# KiCad board board1-switching.kicad_pcb (continued)
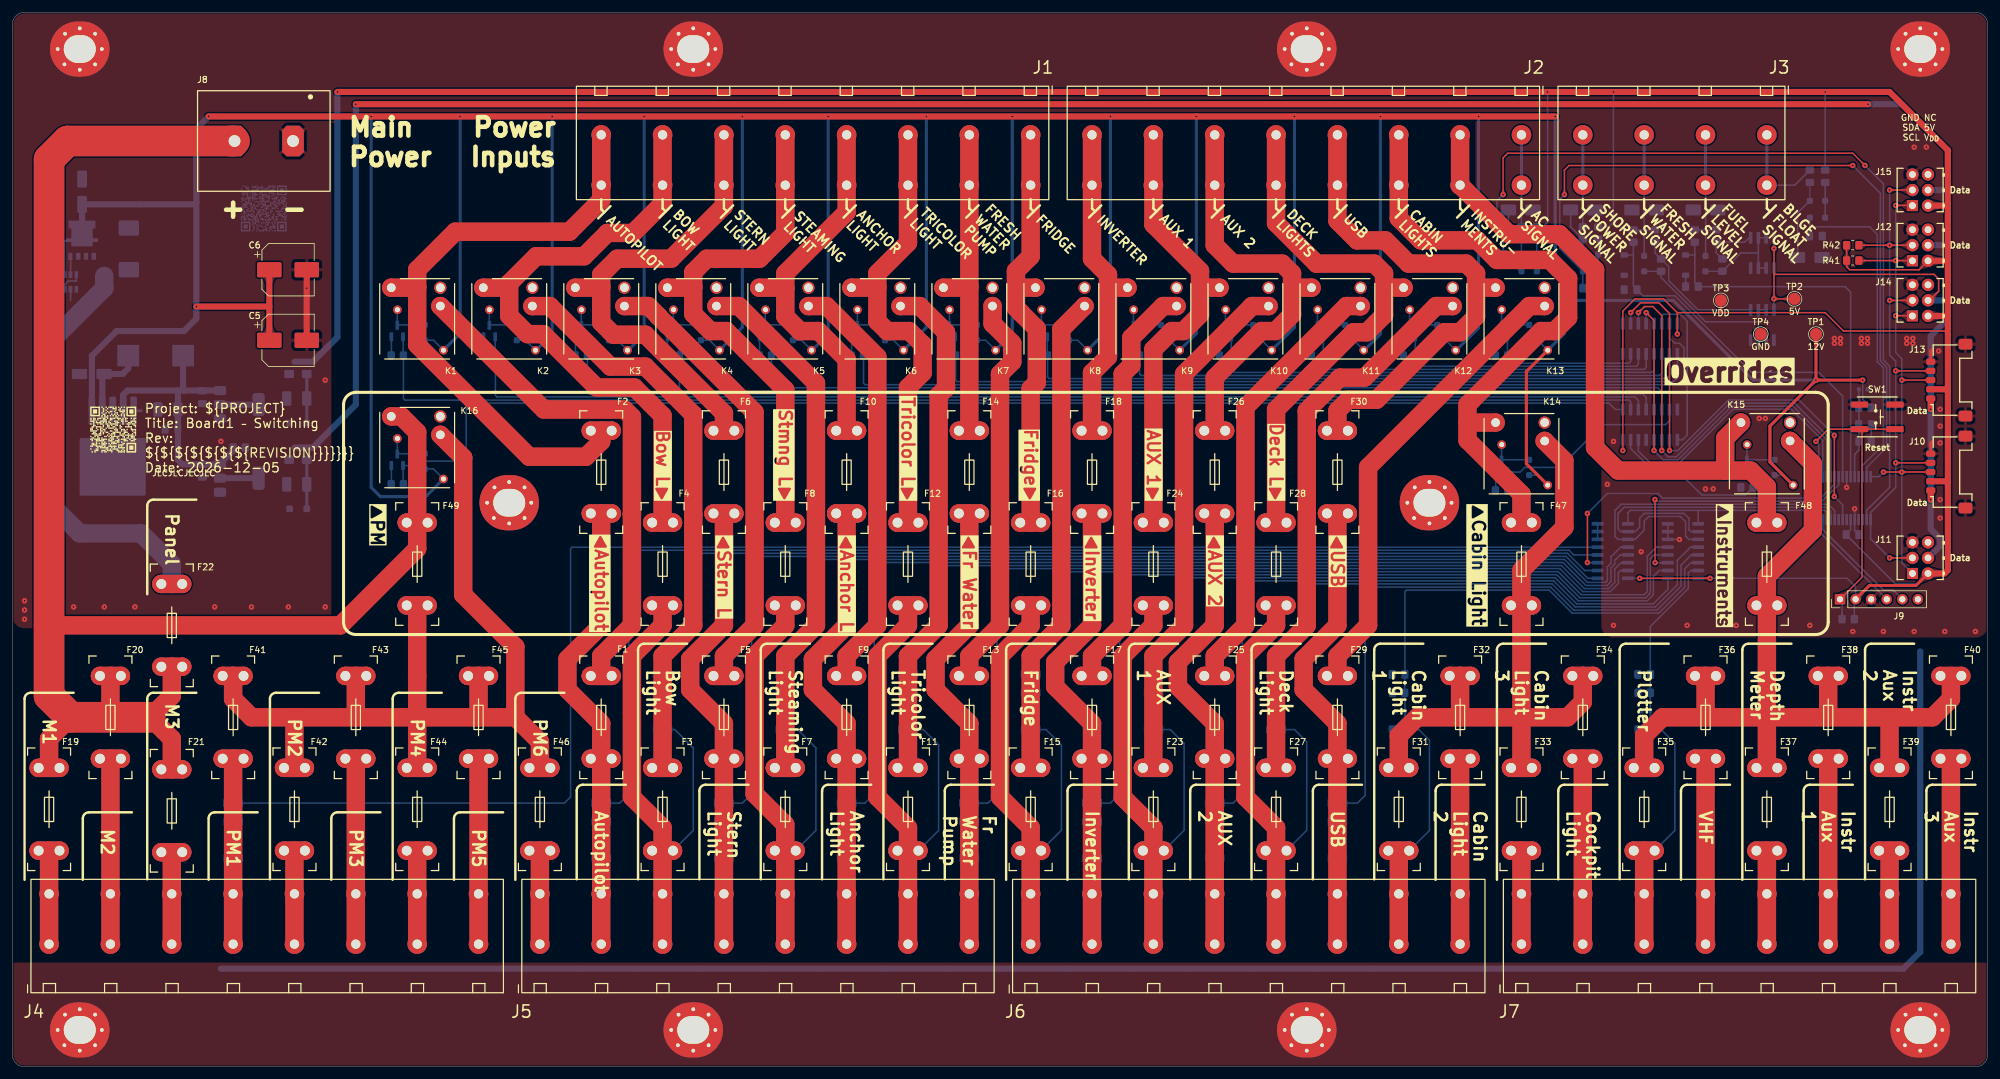
[diagram p0: board, top side]
## Routing (per net, layer and track width the routed paths; a pad name or vN(x,y) marks a point on that pad's centre or on a via; arc(x,y) is an arc through that point) (continued)
/shore_power: length 14.5
  Bottom w0.25: 256,137.5 J3.4
  Bottom w0.5: J3.8 J3.4
/steaming_light: length 96.2
  Top w3: 126,35.25 126,39.5 121,44.5 121,67 126,72 126,75.25 ; 126,35.25 F7.4 ; 126,35.25 126,20.2 ; 126,35.25 F7.3 ; F8.3 126,75.25 ; 126,75.25 F8.4
  Bottom w0.25: R23.1 128,55 131,52 131,38.55 F7.3
  Bottom w3: F7.3 F7.4 ; F8.3 F8.4
/stern_light: length 94.4
  Top w3: 116,90.25 F6.3 ; 116,90.25 F6.4 ; 116,90.25 116,72 110.5,66.5 110.5,61.5 116,56 116,50.25 ; 116,50.25 F5.3 ; 116,50.25 F5.4 ; 116,50.25 116,20.2
  Bottom w0.25: J5.4 116,32 115,33 R25.1
  Bottom w3: F5.3 F5.4 ; F6.3 F6.4
/tricolor: length 96.6
  Top w3: J5.15 J5.7 146,35.25 ; 146,35.25 146,39 141,44 141,67 146,72 146,75.25 ; 146,35.25 F11.4 ; 146,35.25 F11.3 ; 146,75.25 F12.3 ; 146,75.25 F12.4
  Bottom w0.25: R19.1 148.5,55 151,52.5 151,38.55 F11.3
  Bottom w3: F11.4 F11.3 ; F12.3 F12.4
/USB: length 87.6
  Top w3: 216,20.2 216,56 210.5,61.5 210.5,66.5 216,72 216,90.25 ; F30.4 F30.3
  Bottom w0.2: 216,32 215,33 R34.1
  Bottom w0.25: 216,32 J6.6
  Bottom w3: F29.3 F29.4
/VHF: length 36.8
  Top w3: 276,20.2 276,50.25 ; 276,50.25 F36.4 ; 276,50.25 F36.3
  Bottom w3: F36.4 F36.3
Net-(D1-A): length 7.1
  Bottom w0.25: K1.1 62.75,123.44 Q1.3 62.81,121 D1.2
Net-(D2-A): length 7.1
  Bottom w0.25: K2.1 77.75,123.44 Q2.3 77.81,121 D2.2
Net-(D3-A): length 7.1
  Bottom w0.25: K3.1 92.75,123.44 Q3.3 92.81,121 D3.2
Net-(D4-A): length 7.1
  Bottom w0.25: D4.2 107.81,121 Q4.3 107.75,123.44 K4.1
Net-(D5-A): length 7.1
  Bottom w0.25: D5.2 122.81,121 Q5.3 122.75,123.44 K5.1
Net-(D6-A): length 7.1
  Bottom w0.25: K6.1 137.75,123.44 Q6.3 137.81,121 D6.2
Net-(D7-A): length 7.1
  Bottom w0.25: K7.1 152.75,123.44 Q7.3 152.81,121 D7.2
Net-(D8-A): length 7.1
  Bottom w0.25: K8.1 167.75,123.44 Q8.3 167.81,121 D8.2
Net-(D9-A): length 7.1
  Bottom w0.25: K9.1 182.75,123.44 Q9.3 182.81,121 D9.2
Net-(D10-A1): length 78.8
  Top w3: F22.1 F22.2
  Bottom w0.25: 8.55,126.89 8.55,127.59 9.11,128.15 10.38,128.15 10.45,128.22 U1.6
  Bottom w3: F22.2 26,78.75 ; 26,78.75 26,82 21,87 11,87 6,92 6,118 15,127 15,129 ; 26,78.75 F22.1
Net-(D11-A): length 7.1
  Bottom w0.25: D11.2 197.81,121 Q11.3 197.75,123.44 K10.1
Net-(D12-A): length 7.1
  Bottom w0.25: K11.1 212.75,123.44 Q12.3 212.81,121 D12.2
Net-(D13-A): length 7.1
  Bottom w0.25: D13.2 227.81,121 Q13.3 227.75,123.44 K12.1
Net-(D14-A): length 7.1
  Bottom w0.25: D14.2 242.81,121 Q14.3 242.75,123.44 K13.1
Net-(D15-A): length 7.1
  Bottom w0.25: K14.1 242.75,101.44 Q15.3 242.81,99 D15.2
Net-(D16-A): length 7.1
  Bottom w0.25: K15.1 282.75,101.44 Q16.3 282.81,99 D16.2
Net-(D17-A): length 7.1
  Bottom w0.25: D17.2 62.81,100 Q17.3 62.75,102.44 K16.1
Net-(D18-K): length 178.8
  Bottom w0.2: C1.2 137,42.96 R18.2 D18.1 R17.2
  Bottom w0.25: C1.2 139,43 140.5,44.5 140.5,82 140.75,82.25 252.75,82.25 256.5,78.5 259.95,78.5 260.6,79.15 260.6,81.4 261.2,82 261.2,82.6 262.08,83.48 U5.13
Net-(D19-K): length 146
  Bottom w0.25: R19.2 147,57 D19.1 R20.2 147,63.96 C2.2 147.04,68.79 151,72.75 151,81.5 151.25,81.75 252.5,81.75 256.25,78 260.2,78 261.2,79 261.2,81.2 262.21,82.21 U5.14
Net-(D20-K): length 156.6
  Bottom w0.2: C3.2 156.96,42.96 R22.2 156.96,38.04 157,38 D20.1 R21.2
  Bottom w0.25: C3.2 159,43 160.5,44.5 160.5,81 160.75,81.25 252.25,81.25 256,77.5 260.45,77.5 261.8,78.85 261.8,80.6 262.14,80.94 U5.15
Net-(D21-K): length 168.3
  Bottom w0.25: 127,63.96 C4.2 ; C4.2 127.04,68.79 131,72.75 131,82.38 131.38,82.75 253,82.75 256.75,79 259.7,79 260,79.3 260,81.55 260.6,82.15 260.6,83.2 262.15,84.75 U5.12 ; C4.2 127.04,62.04 127,62 R24.2 D21.1 127,57 R23.2
Net-(D22-K): length 12.5
  Bottom w1: L1.1 18.9,113.9 18,113 D22.1 14.67,112.71 U2.2
Net-(D24-K): length 191.1
  Bottom w0.2: C14.2 117,42.96 R26.2 D24.1 R25.2
  Bottom w0.25: U5.1 256.83,79.67 253.25,83.25 120.81,83.25 120.5,82.94 120.5,44.5 119,43 C14.2
Net-(D25-K): length 271.4
  Bottom w0.2: C15.2 37,42.96 R29.2 D25.1 R27.2
  Bottom w0.25: U5.5 91.25,84.75 91,84.5 91,44 90,43 C15.2
Net-(D26-K): length 179.7
  Bottom w0.25: R30.2 107,57 D26.1 R31.2 107,63.96 C16.2 107.04,69.04 111,73 111,83.5 111.25,83.75 253.5,83.75 256.31,80.94 U5.2
Net-(D28-K): length 210.9
  Bottom w0.2: C20.2 97,42.96 R33.2 D28.1 R32.2
  Bottom w0.25: C20.2 99,43 100.5,44.5 100.5,83.94 100.81,84.25 253.75,84.25 254.52,83.48 U5.4
Net-(D29-K): length 108.4
  Bottom w0.2: C21.2 217,42.96 R35.2 D29.1 R34.2
  Bottom w0.25: C21.2 219.25,43 220.5,44.25 220.5,78 220.75,78.25 250.75,78.25 254.5,74.5 268.1,74.5 272,78.4 272,81.8 273.68,83.48 U9.13
Net-(D30-K): length 78
  Bottom w0.25: U9.14 273.61,82.21 272.6,81.2 272.6,78.2 268.4,74 254.25,74 250.5,77.75 227.25,77.75 227,77.5 C22.2 226.96,63.96 R38.2 227,60.96 D30.1 227,57.04 R36.2
Net-(D31-K): length 30.7
  Bottom w0.25: U9.15 273.6,80.94 273.2,80.54 273.2,78 267,71.8 267,64 ; C23.2 267,63.96 R40.2 D31.1 267,57 R39.2
Net-(D32-K): length 97.8
  Bottom w0.25: U9.12 273.55,84.75 271.4,82.6 271.4,78.6 267.8,75 254.75,75 251,78.75 211.25,78.75 211,78.5 211,72.75 207.04,68.79 C24.2 207,63.96 R44.2 D32.1 207,57 R43.2
Net-(D33-K): length 121.4
  Bottom w0.2: C25.2 197,42.96 R46.2 D33.1 R45.2
  Bottom w0.25: 197,43 199,43 200.5,44.5 200.5,79 200.75,79.25 251.25,79.25 255,75.5 267.5,75.5 269.86,77.86 U9.1
Net-(D34-K): length 135.1
  Bottom w0.25: 167,63.96 C26.2 ; C26.2 167.04,68.79 171,72.75 171,80.5 171.25,80.75 252,80.75 255.75,77 266,77 266.5,77.5 266.5,83.25 268,84.75 U9.5 ; C26.2 167.04,62.04 167,62 R48.2 D34.1 167,57 R47.2
Net-(D35-K): length 111.3
  Bottom w0.25: R49.2 187,56.96 D35.1 187,60.96 R50.2 187.04,63.96 C27.2 187.07,68.83 191,72.75 191,79.5 191.25,79.75 251.5,79.75 255.25,76 266.5,76 267.5,77 267.5,80 268.44,80.94 U9.2
Net-(D36-K): length 146.4
  Bottom w0.2: R51.2 D36.1 R52.2 177,42.96 C28.2
  Bottom w0.25: 176.96,42.96 177,43 179,43 180.5,44.5 180.5,80 180.75,80.25 251.75,80.25 255.5,76.5 266.25,76.5 267,77.25 267,82.88 267.61,83.48 U9.4 ; R52.2 177,40.5 177.04,40.54
Net-(D38-A): length 30.1
  Bottom w0.25: U10.3 U10.2 284.62,121.5 ; 284.62,121.5 276,121.5 268.75,128.75 R55.2 D38.2 ; 284.62,121.5 U10.7 U10.6
Net-(D41-A): length 5.8
  Bottom w0.25: R58.2 D41.2 D42.2
Net-(D41-K): length 13.1
  Bottom w0.2: D41.1 R64.2
  Bottom w0.25: D41.1 291,139.25 D43.2
Net-(D44-A): length 5
  Bottom w0.25: 258.5,134.5 D44.2 258.5,129.5
Net-(D44-K): length 8.1
  Bottom w0.25: D46.2 254,137 R65.2 D44.1
Net-(D47-A): length 17.3
  Bottom w0.25: D47.2 R60.2 281.75,132.75 284.62,132.75 ; 284.62,132.75 U11.7 U11.6 ; 284.62,132.75 U11.2 U11.3
Net-(D50-A): length 5.3
  Bottom w0.25: R63.2 D50.2 D51.2
Net-(D50-K): length 8.1
  Bottom w0.25: D50.1 R66.2 243.88,137.13 D52.2
Net-(F1-Pad1): length 89.8
  Top w3: 96,63.75 F1.1 ; 96,63.75 96,67 101,72 101,87.38 101,106 99.8,107.2 86.66,107.2 K1.5 ; 96,63.75 F1.2
  Bottom w3: F1.1 F1.2
Net-(F3-Pad1): length 100.1
  Top w3: F3.2 106,48.75 ; 106,48.75 106,67 111,72 111,87.38 111,106.4 103.2,114.2 97.5,114.2 87.62,124.08 K2.5 ; 106,48.75 F3.1
  Bottom w3: F3.1 F3.2
Net-(F5-Pad1): length 80.3
  Top w3: 116,63.75 116,67 121,72 121,106.75 106.78,120.97 106.74,120.97 105.28,122.44 105.28,122.47 103.67,124.08 K3.5 ; 116,63.75 F5.2 ; 116,63.75 F5.1
  Bottom w3: F5.1 F5.2
Net-(F7-Pad1): length 93
  Top w3: F7.2 126,48.75 ; 126,48.75 126,67 131,72 131,111.5 118.43,124.08 K4.5 ; 126,48.75 F7.1
  Bottom w3: F7.1 F7.2
Net-(F9-Pad1): length 75.6
  Top w3: K5.5 132.72,124.08 141,115.8 141,72 136,67 136,63.75 ; 136,63.75 F9.1 ; 136,63.75 F9.2
  Bottom w3: F9.1 F9.2
Net-(F11-Pad1): length 89.6
  Top w3: 146,48.75 146,67 151,72 151,109.5 152.2,110.7 152.2,119.8 147.93,124.08 K6.5 ; 146,48.75 F11.1 ; 146,48.75 F11.2
  Bottom w3: F11.1 F11.2
Net-(F13-Pad1): length 68
  Top w3: F13.2 F13.1 ; 156,63.75 156,67 161,72 161,113 163,115 163,118 159.78,121.22 K7.5
Net-(F15-Pad1): length 82.4
  Top w3: F15.2 F15.1 ; 166,48.75 166,67 171,72 171,120.3 K8.5
Net-(F17-Pad1): length 74.1
  Top w3: F17.1 176,63.75 ; 176,63.75 176,67 181,72 181,113 182.4,114.4 182.4,118.9 187.57,124.08 K9.5 ; 176,63.75 F17.2
  Bottom w3: F17.2 F17.1
Net-(F23-Pad1): length 91.5
  Top w3: F23.2 186,48.75 ; 186,48.75 186,67 191,72 191,113 202.07,124.08 K10.5 ; 186,48.75 F23.1
  Bottom w3: F23.2 F23.1
Net-(F25-Pad1): length 78.4
  Top w3: 219.71,124 K11.5 217.47,124.08 201,107.6 201,72 196,67 196,63.75 ; 196,63.75 F25.2 ; 196,63.75 F25.1
  Bottom w3: F25.1 F25.2
Net-(F27-Pad1): length 98
  Top w3: K12.5 232.07,124.08 220.4,112.4 216.4,112.4 211,107 211,72 206,67 206,48.75 ; 206,48.75 F27.2 ; 206,48.75 F27.1
  Bottom w3: F27.2 F27.1
Net-(F29-Pad1): length 82.6
  Top w3: K13.5 247.27,124.08 221,97.8 221,72 216,67 216,63.75 ; F29.2 216,63.75 ; 216,63.75 F29.1
  Bottom w3: F29.2 F29.1
Net-(F31-Pad1): length 140.1
  Top w3: 246,75.25 246,81 253,88 253,98.86 K14.5 ; 246,75.25 F47.3 ; 246,75.25 246,48.75 ; 246,75.25 F47.4 ; F33.1 246,48.75 ; 246,48.75 F33.2 ; 256,63.75 F34.2 ; 256,63.75 256,59.5 253.5,57 236,57 ; 256,63.75 F34.1 ; 236,57 229,57 226,54 226,48.75 ; 236,57 236,63.75 ; 226,48.75 F31.1 ; 226,48.75 F31.2 ; F32.1 236,63.75 ; 236,63.75 F32.2
  Bottom w3: F34.2 F34.1 ; F32.2 F32.1 ; F33.2 F33.1 ; F47.3 F47.4 ; F31.1 F31.2
Net-(F35-Pad1): length 185.4
  Top w3: F40.2 F40.1 ; 306,48.75 306,57 ; 306,48.75 F39.1 ; 306,48.75 F39.2 ; 306,57 313,57 316,60 316,63.75 ; 306,57 296,57 ; 286,48.75 F37.2 ; 286,48.75 286,57 ; 286,48.75 F37.1 ; 276,63.75 F36.1 ; 276,63.75 F36.2 ; 276,63.75 276,57 ; 286,75.25 286,57 ; 286,75.25 F48.4 ; 286,75.25 286,80 293.5,87.5 293.5,98.36 K15.5 ; 286,75.25 F48.3 ; 286,57 296,57 ; 286,57 276,57 ; 266,48.75 F35.1 ; 266,48.75 266,54 269,57 276,57 ; 266,48.75 F35.2 ; 296,57 296,63.75 ; F38.2 296,63.75 ; 296,63.75 F38.1
  Bottom w3: F48.4 F48.3 ; F38.2 F38.1 ; F35.2 F35.1 ; F37.1 F37.2 ; F36.2 F36.1 ; F39.1 F39.2
Net-(F41-Pad1): length 207.9
  Top w3: 46,57 56,57 ; 46,57 39,57 36,60 36,63.75 ; 46,57 46,48.75 ; 56,57 76,57 ; 56,57 56,63.75 ; 56,63.75 F43.1 ; 56,63.75 F43.2 ; 66,48.75 F44.1 ; 66,48.75 66,75.25 ; 66,48.75 F44.2 ; 82,57 86,53 86,48.75 ; 82,57 76,57 ; 82,57 82,68.5 73.5,77 73.5,99.36 K16.5 ; 86,48.75 F46.1 ; 86,48.75 F46.2 ; F41.2 36,63.75 ; 36,63.75 F41.1 ; 66,75.25 F49.3 ; 66,75.25 F49.4 ; 46,48.75 F42.1 ; 46,48.75 F42.2 ; F45.2 76,63.75 ; 76,63.75 F45.1 ; 76,63.75 76,57
  Bottom w3: F41.1 F41.2 ; F42.1 F42.2 ; F44.1 F44.2 ; F45.1 F45.2 ; F43.1 F43.2 ; F49.3 F49.4 ; F46.1 F46.2
Net-(J9-Pin_1): length 53.5
  Top w0.25: v1(294,102) 296,104 SW1.2 ; SW1.2 SW1.4 ; SW1.2 301.5,103.6 301.5,79.83 J9.1
  Bottom w0.25: J9.1 298.25,75.92 R37.2 298.25,74 ; v1(294,102) 294.45,101.55 U6.1
Net-(J9-Pin_4): length 17.6
  Bottom w0.25: J9.4 294.45,87.34 U6.28
Net-(J9-Pin_5): length 19.3
  Bottom w0.25: J9.5 306.58,77.75 305,77.75 295.1,87.65 U6.27
Net-(J10-Pin_3): length 90.3
  Top w0.25: J10.3 v1(308,97) v1(305,97) ; 309.69,80.5 J11.1 ; J15.1 309.69,140.5 v1(307,140.5) ; v1(307,122.5) 309.69,122.5 J14.1 ; J13.3 v1(308,112) ; J12.1 309.69,131.5 v1(307,131.5) R41.2
  Bottom w0.25: v1(305,97) 304.25,96.25 U6.14 ; J11.1 308,82.19 v1(308,97) v1(308,112) 308,115.5 307,116.5 v1(307,122.5) v1(307,131.5) v1(307,140.5)
Net-(J10-Pin_4): length 94.7
  Top w0.25: J11.2 v1(306,83) ; v1(307,113.5) J13.4 ; J12.2 v1(306,134) R42.2 ; v1(307,98.5) J10.4 ; J15.2 v1(306,143) ; J14.2 v1(306,125)
  Bottom w0.25: v1(306,83) 302.9,86.1 U6.15 302.9,90.4 307,94.5 v1(307,98.5) v1(307,113.5) 307,115.09 306,116.09 v1(306,143)
Net-(Q10-G): length 2.9
  Bottom w0.25: Q10.4 9.5,132.16 9.5,129.29
Net-(R55-Pad1): length 22.5
  Bottom w0.25: R56.1 267.75,132.75 R55.1 270,130.5 270,128.25 274.77,123.47 U10.1
Net-(R60-Pad1): length 8.8
  Bottom w0.25: R60.1 277.75,132.75 R61.1 282.37,134.5 283.1,135.22
Net-(U2-FB): length 46.6
  Bottom w1: 27,110.3 C9.1 27,99 27.75,98.25 C17.1 33.8,98.25 U7.3 ; 27,110.3 28,110.3 ; 27,110.3 18.8,110.3 18.08,109.58 U2.4 ; U7.3 33.85,98.35 36,100.5 R28.2 ; U7.3 33.9,98.25 ; 28,110.3 27.85,110.45 L1.2 ; 28,110.3 U3.3
Net-(U4-A): length 44.3
  Bottom w0.25: U6.2 295.1,102.15 290,107.25 280.5,107.25 271.75,98.5 266.96,98.5 265.06,100.41 U4.14
Net-(U4-LATCH_CLK): length 67.2
  Top w0.25: v1(266.33,123) 267.6,121.73 v1(267.6,100.5)
  Bottom w0.25: U8.12 v1(266.33,123) ; U6.3 295.75,102.25 290.25,107.75 280.25,107.75 271.5,99 269.1,99 v1(267.6,100.5) U4.12
Net-(U4-SHIFT_CLK): length 70.5
  Top w0.25: v1(265.06,123) 266.06,124 267.4,124 268.87,122.53 v1(268.87,100.5)
  Bottom w0.25: v1(265.06,123) U8.11 ; 268.87,102.25 v1(268.87,100.5) 269.87,99.5 271.25,99.5 280,108.25 290.5,108.25 296.4,102.35 U6.4
Net-(U4-SQ_{H}): length 26.5
  Bottom w0.25: U4.9 272.23,102.25 273,103.02 273,121.62 271.88,122.75 269.12,122.75 268.87,122.49 268.87,121.22
Net-(U4-~{RST}): length 80.6
  Top w0.25: v1(296.99,103) 296.99,93.01 v1(297,93) ; v1(270.14,100.5) 270.14,122.86 268.4,124.6 265.4,124.6 v1(263.8,123)
  Bottom w0.25: U4.10 v1(270.14,100.5) 271.5,100.5 279.75,108.75 291.24,108.75 v1(296.99,103) ; v1(263.8,123) 263.8,121.24 U8.10 ; v1(297,93) 298.35,91.65 U6.22
Net-(U5-A): length 61.4
  Bottom w0.25: U6.24 297.05,90.7 296,91.75 262.25,91.75 261.25,90.75 261.25,86.5 261.73,86.02 U5.11 264.52,86.02 266,87.5 266,89 266.75,89.75 271.89,89.75 272.75,88.89 272.75,86.56 273.29,86.02 U9.11
Net-(U5-B): length 56.8
  Bottom w0.25: U6.25 296.4,90.6 295.75,91.25 262.75,91.25 261.75,90.25 261.75,87.75 262.21,87.29 U5.10 264.54,87.29 265.25,88 265.25,89.5 266,90.25 272.5,90.25 273.3,89.45 273.3,87.61 273.62,87.29 U9.10
Net-(U5-C): length 37.8
  Bottom w0.25: U9.9 274.81,90.74 ; U6.26 295.75,90.42 295.43,90.75 263.75,90.75 263.36,90.36 U5.9
Net-(U5-COM): length 53.8
  Top w0.25: v1(256.75,90.25) v1(256.75,82.24)
  Bottom w0.25: U5.3 256.78,82.21 v1(256.75,82.24) ; v1(256.75,90.25) 260,93.5 268.25,93.5 269,92.75 294.75,92.75 297.05,95.05 U6.5
Net-(U6-RA4): length 44.9
  Top w0.25: v1(267.77,82.21) 267.77,92.5 v1(267.75,92.53)
  Bottom w0.25: v1(267.75,92.53) 268.02,92.25 295,92.25 297.7,94.95 U6.6 ; v1(267.77,82.21) U9.3

## Copper pours and planes (outline as drawn; the poured copper is in the pictures)
+5V on Bottom: 48,102 37,102 37,82 48,82
GND on Top: 328,175 -1.5,175 -1.5,71.5 52,72 52,154 238.5,154.5 238.5,139.5 243.5,134.5 253.5,134.5 259,129.5 259,70 328,70
GND on Top: 326,-3 326,17 -4,17 -4,-3
GND on Bottom: 326,177 -4,177 -4,-3 326,-3
VDD on Bottom: 37,102 48,102 48.13,121 37,121
Net-(D10-A1) on Bottom: 23.12,133.9 23.12,127.5 9.62,127.5 9.62,133.9

Small or netless copper shapes (teardrops, artwork), in the pictures only: 73 on Top, 521 on Bottom

## Text on the board
F.Silkscreen: JLCJLCJLCJLC | NC / 5V / V_{DD} | GND / SDA / SCL | Reset | Data | ▲PM | ◀Stern L | ◀Anchor L | ◀Fr Water | ◀Inverter | ◀AUX 2 | ◀USB | ▲Cabin Light | ▲Instruments | ◀Autopilot | Bow L▶ | Stmng L▶ | Tricolor L▶ | Fridge▶ | AUX 1▶ | Deck L▶ | Overrides | + | - | AUTOPILOT | BOW LIGHT | STERN LIGHT | STEAMING LIGHT | ANCHOR LIGHT | TRICOLOR LIGHT | FRESH WATER PUMP | FRIDGE | INVERTER | AUX 1 | AUX 2 | DECK LIGHTS | USB | CABIN LIGHTS | INSTRU- / MENTS | AC SIGNAL | SHORE POWER SIGNAL | FRESH WATER SIGNAL | FUEL LEVEL SIGNAL | BILGE FLOAT SIGNAL | M1 | M2 | Project: ${PROJECT} / Title: ${TITLE} / Rev: ${REVISION} / Date: ${CURRENT_DATE} | Panel | M3 | PM1 | PM2 | PM3 | Main / Power | PM4 | PM5 | Power Inputs | PM6 | Autopilot | Bow / Light | Stern / Light | Steaming / Light | Anchor / Light | Tricolor / Light | Fr Water / Pump | Fridge | Inverter | Deck / Light | Cabin / Light 1 | Cabin / Light 2 | Cabin / Light 3 | Cockpit / Light | Plotter | VHF | Depth / Meter | Instr / Aux 1 | Instr / Aux 2 | Instr / Aux 3
